# Altium PCB iMX53_BB_PCB_V1I1.PcbDoc (part 9 of 9)
Units mm, origin at the board's own origin, x right, y up, seen from the top; angles counter-clockwise.
Board outline 165 x 100.5 mm, 6 copper layers (Top, GND, SignalH, SignalV, Power, Bottom); 582 components, 590 nets, 2473 pads, 1817 vias.
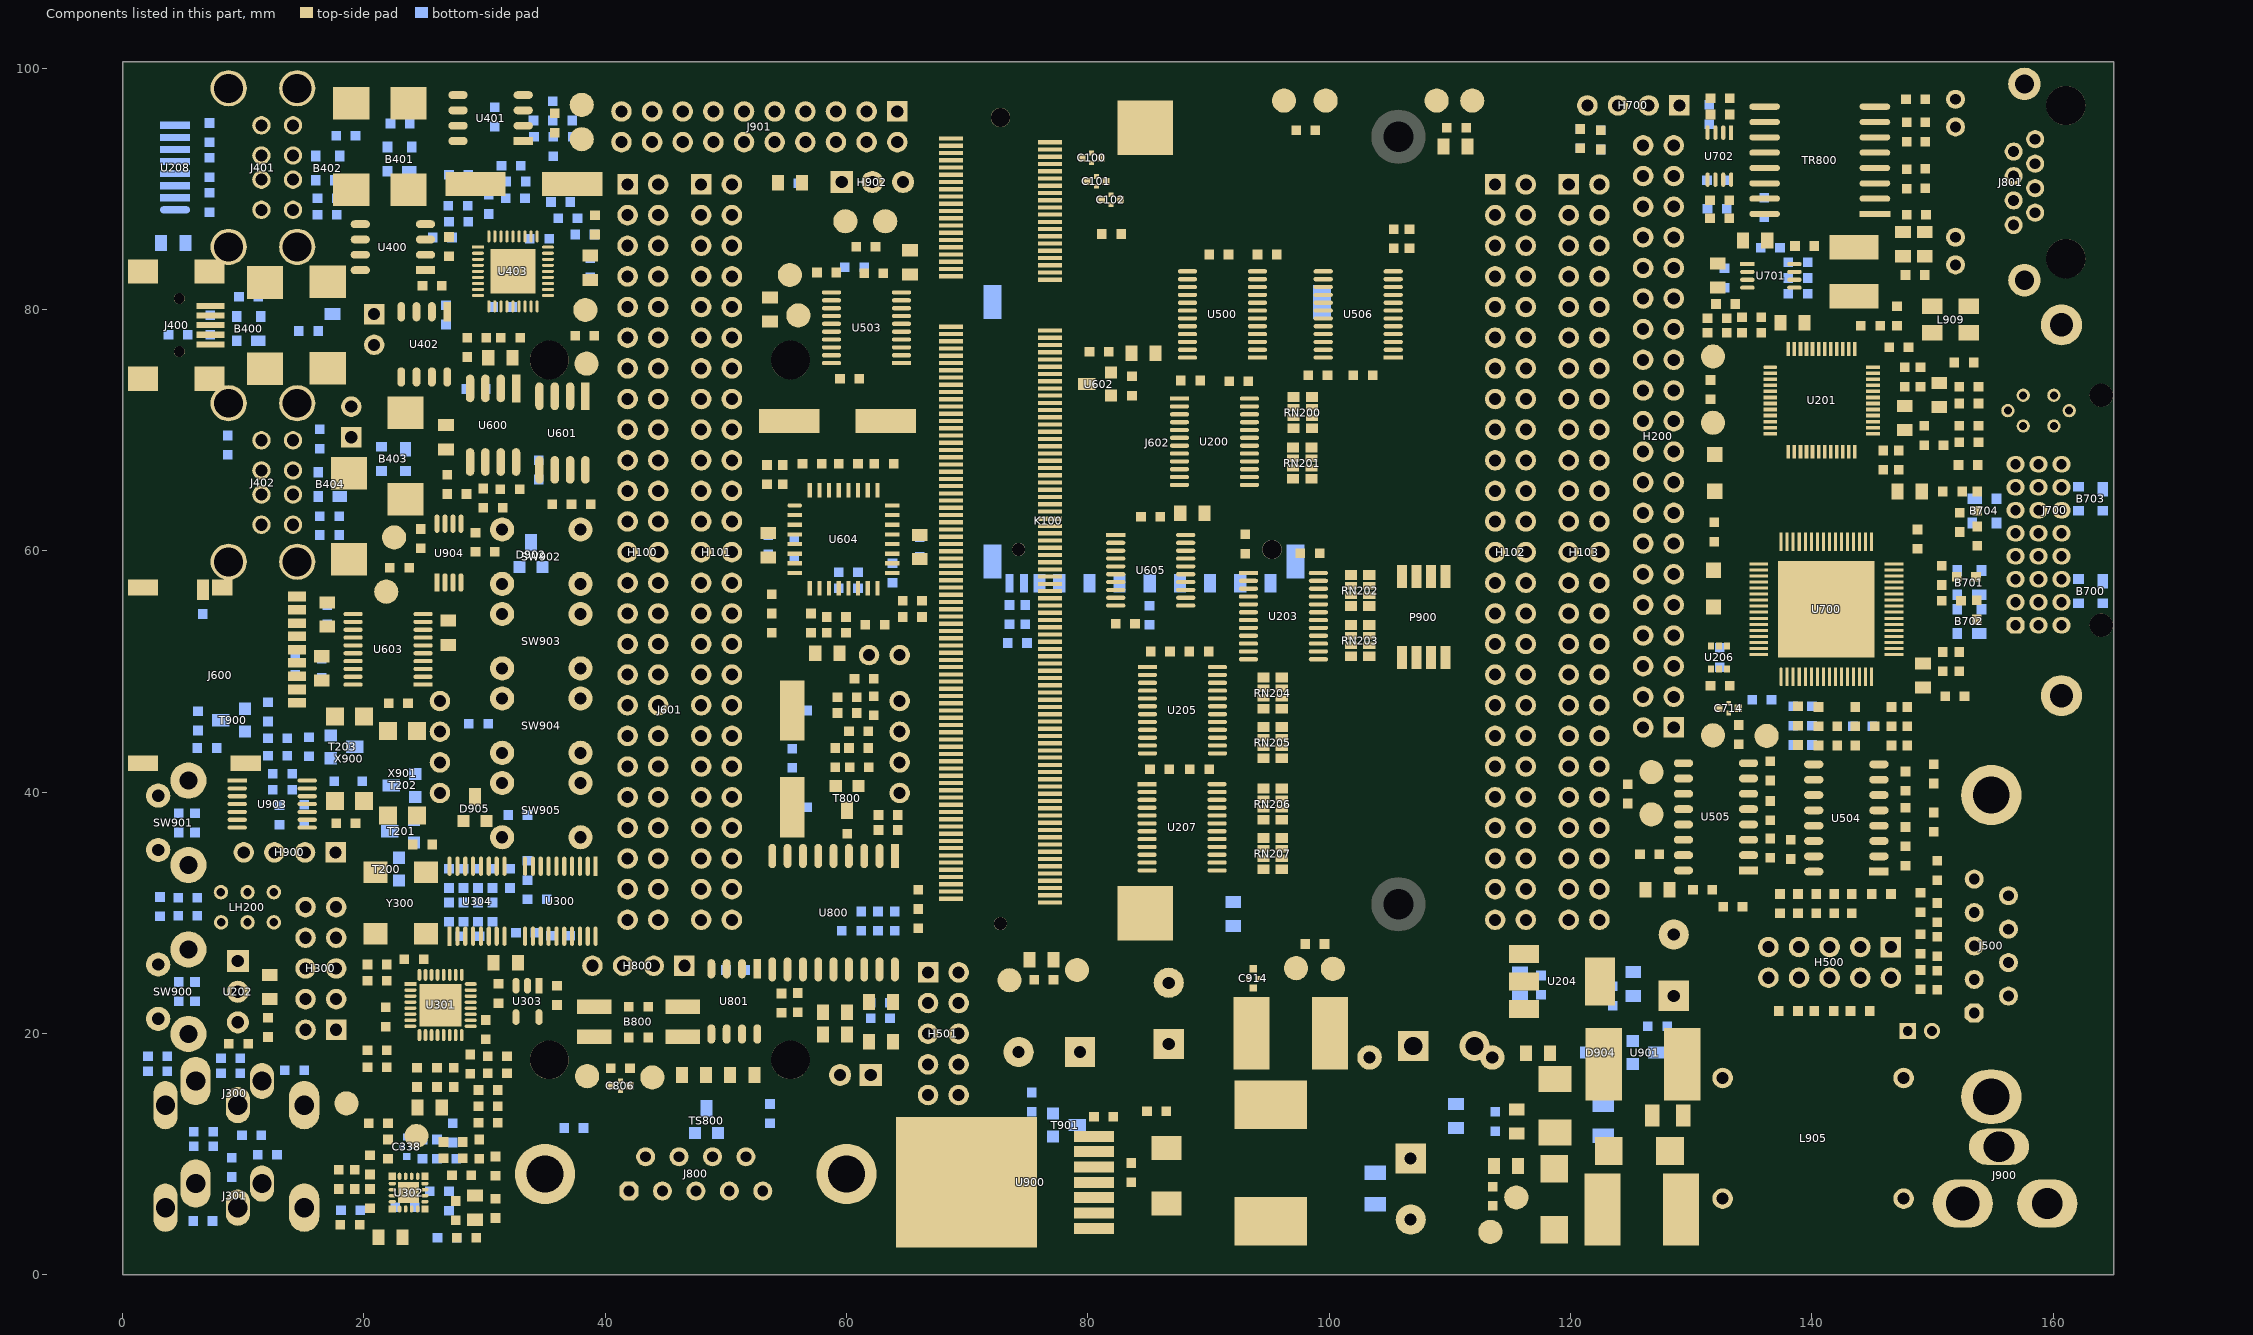
[diagram p13: the components of this part, seen from the top]

## Polygon pours and split planes (outlines as drawn) (continued)
VGND on GND "VGND" (hatched 45Degree grid 0.35 track 0.35, remove dead copper, pour order 1001): 147.05,78.4 147.05,77.1 152.75,71.4 152.75,68.4 150.05,68.4 147.85,66.2 142.85,66.2 134.05,57.4 134.05,54.85 132.15,52.95 129.65,52.95 129.65,60.1 138.5,68.4 138.35,71.7 134.85,73.4 134.85,75.7 138.05,77.4 139.75,77.4 139.75,77.95 141.1,79.3 146.15,79.3
CASE_GND on GND "CASE_GND" (hatched 45Degree grid 0.35 track 0.35, remove dead copper, pour order 1000): 164.9,80.7 141.25,80.7 141.25,84.55 139.9,85.9 139.9,100.4 139.85,100.45 164.9,100.45 164.9,80.7
VSSA on GND "VSSA" (hatched 45Degree grid 0.35 track 0.35, remove dead copper, pour order 1002): 37.05,25.65 34.25,25.65 32.35,23.75 29.95,23.75 29.95,22.05 29.3,21.4 27.7,21.4 26.3,20 26.3,19.1 24.1,16.9 17.35,16.9 16.2,15.75 16.2,12.85 16.75,12.3 23.7,12.3 27.65,16.25 29.95,16.25 32.6,18.9 35.05,18.9 37.05,20.9 37.05,25.65
5V on SignalV "5V" (hatched 90Degree grid 0.35 track 0.35, remove dead copper, pour order 1020): 108.15,88.658 115.8,88.658 117,89.85 127.55,89.85 131.1,86.323 131.1,77.695 129.967,76.569 125.033,76.569 123.75,75.294 123.75,66.799 117.55,60.639 117.55,40.37 117.95,39.972 122.2,39.972 124.55,37.687 124.65,24.373 120.45,20.2 118.75,20.2 110.3,28.596 110.3,45.238 112.2,47.126 112.2,52.491 110.45,52.491 110.3,84.683 108.15,86.82 108.186,86.855 108.186,88.868
VUSB on SignalV "VUSB" (hatched 45Degree grid 0.35 track 0.35, remove dead copper, pour order 1005): 26.9,84.05 26.882,84.032 26.882,82.4 29.3,79.982 29.3,78.45 29.85,77.9 31.65,77.9 31.65,81.45 28.95,84.05
VSCR on SignalV "VSCR" (hatched 45Degree grid 0.35 track 0.35, remove dead copper, pour order 1008): 56.8,81.6 62.95,81.6 62.95,74.65 63.6,74 63.6,64.6 65.7,62.5 65.7,57.05 63.65,55.1 62.45,55.1 57.1,55.05 51.85,55.05 51.85,67.2 59.65,74.9 59.65,78.45 56.75,78.45
VIO on SignalV "vio" (solid, remove dead copper, pour order 1009): 62.8,74.75 64.35,74.75 64.8,75.2 64.85,75.25 64.85,76.85 64.95,76.85 66.2,78.1 66.2,82.85 61.85,87.2 58.2,90.85 54.5,90.85 53.7,90.05 53.7,89.45 56.05,87.1 56.75,87.1 60.6,83.25 60.6,81.9 60.6,81.15 61.55,80.2 62.6,79.15 62.6,74.8 62.75,74.8 62.8,74.75
VIO on SignalV "vio" (hatched 45Degree grid 0.35 track 0.35, remove dead copper, pour order 1015): 86.7,97.2 86.7,89.2 84.85,87.35 85.1,87.1 85.1,83.9 91.1,83.9 91.2,83.8 91.15,83.85 91.15,96.85 87.15,96.85 86.75,97.25
5V on SignalV "5v" (hatched 45Degree grid 0.35 track 0.35, remove dead copper, pour order 1021): 38.9,9.35 38.9,11.5 39.7,12.3 40.8,12.3 41.5,13 40.4,14.1 40.4,25.25 40.4,25.9 38.25,28.05 38.25,30.75 37.2,31.8 37.2,40.25 39.4,42.45 40.15,42.45 40.6,42 44.25,42 44.3,41.95 44.35,41.9 44.35,36.65 44.35,28.9 46.25,27 46.4,26.85 46.4,17.2 46.4,13.4 42.3,9.3 42.25,9.35 38.9,9.35
5V on SignalV "vin" (hatched 45Degree grid 0.35 track 0.35, remove dead copper, pour order 1017): 87.8,18.3 87.8,35.4 92.1,39.7 91.05,40.75 91.05,41.95 91.05,58.25 92.2,59.4 89.2,62.4 89.2,71.15 88.8,71.55 88.8,74.55 88.8,77.05 90.2,78.45 92.6,78.45 93.15,77.9 93.15,76.35 92.25,75.45 92.25,70.15 98.05,64.35 98.05,58.4 96.8,57.15 96.8,53.5 95.35,52.05 95.35,31.05 91.75,27.45 91.75,18.45 91.6,18.3 87.8,18.3
VIO on SignalV "vio" (hatched 45Degree grid 0.35 track 0.35, remove dead copper, pour order 1013): 81.45,52.2 83.3,52.2 84,52.9 84.05,52.95 84.05,57.55 84.05,57.65 85.6,59.2 86.55,60.15 86.55,69.15 86.55,69.85 88.95,72.25 88.95,74.9 82.75,74.9 82.7,74.95 82.7,71.4 81.95,70.65 81.95,53.8 81.3,53.15 81.25,53.1 81.25,52.2 81.45,52.2
VDVI on SignalV "VDVI" (hatched 45Degree grid 0.35 track 0.35, remove dead copper, pour order 1019): 141.25,39.1 146.85,39.1 149.1,41.35 152.2,41.35 156.6,45.75 156.6,50.85 154.45,53 154.45,62.25 153.35,63.35 150.3,63.35 148.5,61.55 148.45,61.5 148.45,53.8 148.45,53.1 145.4,50.05 145.4,48.25 144.05,46.9 140.9,50.05 129.55,50.05 129.55,48.4 134.3,43.65 138.85,39.1 141.25,39.1
5V on Power "5v" (hatched 45Degree grid 0.35 track 0.35, remove dead copper, pour order 1029): 121,23.55 121,21.35 115.3,15.65 98.4,15.65 92.5,9.75 50.15,9.75 46.9,6.5 38.1,6.5 38.1,10.95 44.9,17.75 76.2,17.75 82.6,24.15 85.3,24.15 89.55,28.4 92.9,28.4 97.1,24.2 101.3,24.2 102,23.5 120.95,23.5
3V3 on Power "3V3" (hatched 45Degree grid 0.35 track 0.35, remove dead copper, pour order 1012): 1.85,98.7 1.85,1.9 1.8,1.85 62.2,1.75 62.25,13.95 77.5,13.95 84.15,20.6 126.55,20.35 159.6,20.15 162.65,20.15 162.6,98.6 162.55,98.65 1.9,98.65
VIN on Power "VIN" (hatched 45Degree grid 0.35 track 0.35, remove dead copper, pour order 1026): 101.65,10.95 101.65,8.25 121.3,8.25 131.3,18.25 131.3,25.5 125.55,25.5 115.1,15.05 105.75,15.05
5V on Power "VIN" (hatched 90Degree grid 0.35 track 0.35, remove dead copper, pour order 1025): 41.2,91.25 41.2,88.2 43.55,85.85 44.7,84.7 63.65,84.7 67.4,80.95 72.6,80.95 75.65,80.95 77.15,79.45 81.7,79.45 84.75,76.4 86.2,74.95 93.15,74.95 93.15,78.55 92.05,79.65 91.95,79.55 87.8,79.55 87.55,79.55 85.2,81.9 85.05,82.05 82.85,82.05 80.8,82.05 79.05,83.8 74.75,88.1 74.75,92.25 69.2,92.25 67.1,90.15 65.7,88.75 62.4,88.75 62.4,88.45 59.95,86 57.6,86 52.45,91.15 52.35,91.25 41.2,91.25
VMMC on Power "VMMC" (hatched 45Degree grid 0.35 track 0.35, remove dead copper, pour order 1016): 10.75,57.6 10.75,46.05 40.65,46.05 40.65,50.15 23.1,50.15 23.1,54.95 20.45,57.6
PWR3 on Power "PWR3" (hatched 90Degree grid 0.35 track 0.35, remove dead copper, pour order 1014): 9.3,69.6 9.3,64.75 18.6,64.75 25.05,71.2 25.05,71.95 11.65,71.95
VIO on Power "vio" (hatched 90Degree grid 0.35 track 0.35, remove dead copper, pour order 1022): 87.7,75 85.4,75 81.55,78.85 77.55,78.85 76.9,78.85 75.45,80.3 65.75,80.3 62.4,76.95 62.4,75.05 64.85,75.05 66,76.2 70.25,76.2 71.5,74.95 81,74.95 83.1,72.85 88.25,72.85 88.5,73.1 88.5,74.2 87.7,75
VIO on Power "vio" (hatched 45Degree grid 0.35 track 0.35, remove dead copper, pour order 1023): 51.35,40.4 51.35,38.6 51.5,38.6 52.8,37.3 82.25,37.3 86.05,41.1 86.05,43.4 72.6,43.4 70.25,41.05 52,41.05 51.35,40.4
VIO on Power "VIO" (hatched 45Degree grid 0.35 track 0.35, remove dead copper, pour order 1024): 87.3,98.75 87.3,94.2 89.8,94.2 91.95,96.35 122.1,96.35 124.9,93.55 125.6,93.55 129.05,97 129.05,96.9 134.85,91.1 134.85,86.5 133.15,84.8 133.15,82.85 133.25,82.75 136.9,86.4 136.9,96.75 134.9,98.75 87.3,98.75
VEPR on Power "VEPR" (hatched 45Degree grid 0.35 track 0.35, remove dead copper, pour order 1027): 38.75,77.2 36.95,77.2 36.75,77 36.75,75.15 35.55,73.95 31.35,73.95 29.55,72.15 27.55,70.15 27.55,65.1 28.45,64.2 38.45,64.2 38.65,64.4 38.65,65.85 38.65,67.15 35.85,69.95 35.85,71.45 38.75,74.35 38.75,77.2
5V on Power "VIN" (hatched 45Degree grid 0.35 track 0.35, remove dead copper, pour order 1028): 74.1,92.65 83.45,92.65 87.4,88.7 90.3,88.7 91.9,90.3 92.1,90.1 107.75,90.1 107.75,90.25 109.85,92.35 117.35,92.35 117.35,90.5 116.6,89.75 111.9,89.75 108.7,86.55 75.75,86.55 74.1,88.2
5V on Power "5V" (hatched 90Degree grid 0.35 track 0.35, remove dead copper, pour order 1030): 40.7,38.75 36.7,38.75 34.95,40.5 30.8,40.5 28.1,37.8 19.8,37.8 14.6,43 10.9,43 9.55,41.65 9.55,18.75 8.3,17.5 6.95,17.5 4.7,19.75 4.7,27.95 3.05,29.6 3.05,73.25 6.95,77.15 16.5,77.15 17.55,78.2 17.55,94.4 21.75,98.6 29.6,98.6 31.35,96.85 31.35,95.05 25.7,89.4 22.95,86.65 22.95,81.5 22.95,77.15 23.2,76.9 23.4,76.7 25.6,76.7 25.7,76.7 28,74.4 25.65,72.05 21.2,72.05 8.2,72.05 6.2,70.05 4.95,68.8 4.95,62.55 7.6,59.9 7.6,54.2 7.6,46.65 7.7,46.55 16.1,46.55 16.85,45.8 39.8,45.8 40.7,44.9 40.7,38.75
VDDA on Power "VDDA" (hatched 45Degree grid 0.35 track 0.35, remove dead copper, pour order 1032): 25.5,21.7 25.5,14.3 33.9,14.3 33.9,21.7 25.5,21.7
VAUD on Power "VAUD" (hatched 45Degree grid 0.35 track 0.35, remove dead copper, pour order 1031): 16.95,4.75 20.7,4.75 21.85,5.9 22.7,5.9 23.15,6.35 23.15,9.7 23.4,9.95 26.45,9.95 30.9,5.5 30.9,2.25 30.55,1.9 16.95,1.9 16.95,4.75
VUSB on Power "VUSB" (hatched 90Degree grid 0.35 track 0.35, remove dead copper, pour order 1011): 38.55,94.8 30.7,94.8 23.2,87.3 23.2,77.15 31.9,77.15 37.1,81.85 37.1,85.45 38.55,86.9
VMMC on Bottom "VMMC" (hatched 45Degree grid 0.35 track 0.35, remove dead copper, pour order 1018): 39.45,50.05 39.45,45.25 52.9,45.25 52.9,50.05 39.45,50.05
GND on Bottom "GND" (hatched 45Degree grid 0.35 track 0.35, remove dead copper, pour order 1004): 0,98.7 0,1.8 165,1.8 165,98.7 0,98.7

## Keep-outs
Keep-Out Layer:
  lines w0.2: 0,0 165,0 165,100.5 0,100.5 0,0
  lines w0.254: 160.1,9.9 163.05,9.9 163.05,20 160.1,20 160.1,9.9

## Other copper
Top:
  text "TOP" at 99.05,88.85 h1.2 r270
  text "Voipac" at 109.4,80.65 h1.2 r270
  text "Technologies" at 107.2,80.6 h1.2 r270
  text "IMXbb rev2" at 102.4,72.65 h1 r270
  text "1" at 160.8,19.3 h1.52 r270
GND:
  text "2" at 160.8,18.1 h1.52 r270
SignalH:
  text "3" at 160.8,16.45 h1.52 r270
SignalV:
  text "4" at 160.8,14.9 h1.52 r270
Power:
  text "5" at 160.8,13.25 h1.52 r270
Bottom:
  text "BOT" at 99.05,85.65 h1.2 r270
  text "6" at 160.8,11.65 h1.52 r270

## Silkscreen, mask and mechanical layers (free items; w line width, h text height)
Mechanical 1:
  circle w0.2: c29.5,63.9 r0.75
  circle w0.2: c29.5,55.55 r0.75
  circle w0.2: c36.8,59.75 r0.75
  lines w0.15: 72.734,28.702 72.734,96.302 110.734,96.302 110.734,28.702 72.734,28.702
  lines w0.2: 0,1.8 165,1.8 ; 0,98.7 165,98.7
  lines w0.254: 100.806,96.307 cw(c105.734,94.302) 110.657,96.318 ; 100.811,28.686 ccw(c105.734,30.702) 110.662,28.697

## Text inside footprints (layer, text, board x,y; h text height)
C919: Top Overlay "+" at 146.45,21.9 h0.6
J500: Top Overlay "9" at 156.07,33.95 h0.6 r270; Top Overlay "5" at 153.17,34.55 h0.6 r270; Top Overlay "1" at 153.27,20.25 h0.6 r270; Top Overlay "6" at 156.07,21.05 h0.6 r270
J800: Top Overlay "9" at 51.4,11.15 h0.6; Top Overlay "5" at 53,5.05 h0.6; Top Overlay "1" at 41.8,5.15 h0.6; Top Overlay "6" at 43.2,11.15 h0.6
J801: Top Overlay "1" at 161.05,93.95 h0.6 r90; Top Overlay "7" at 161.05,87.55 h0.6 r90